# KiCad board keyboard.kicad_pcb
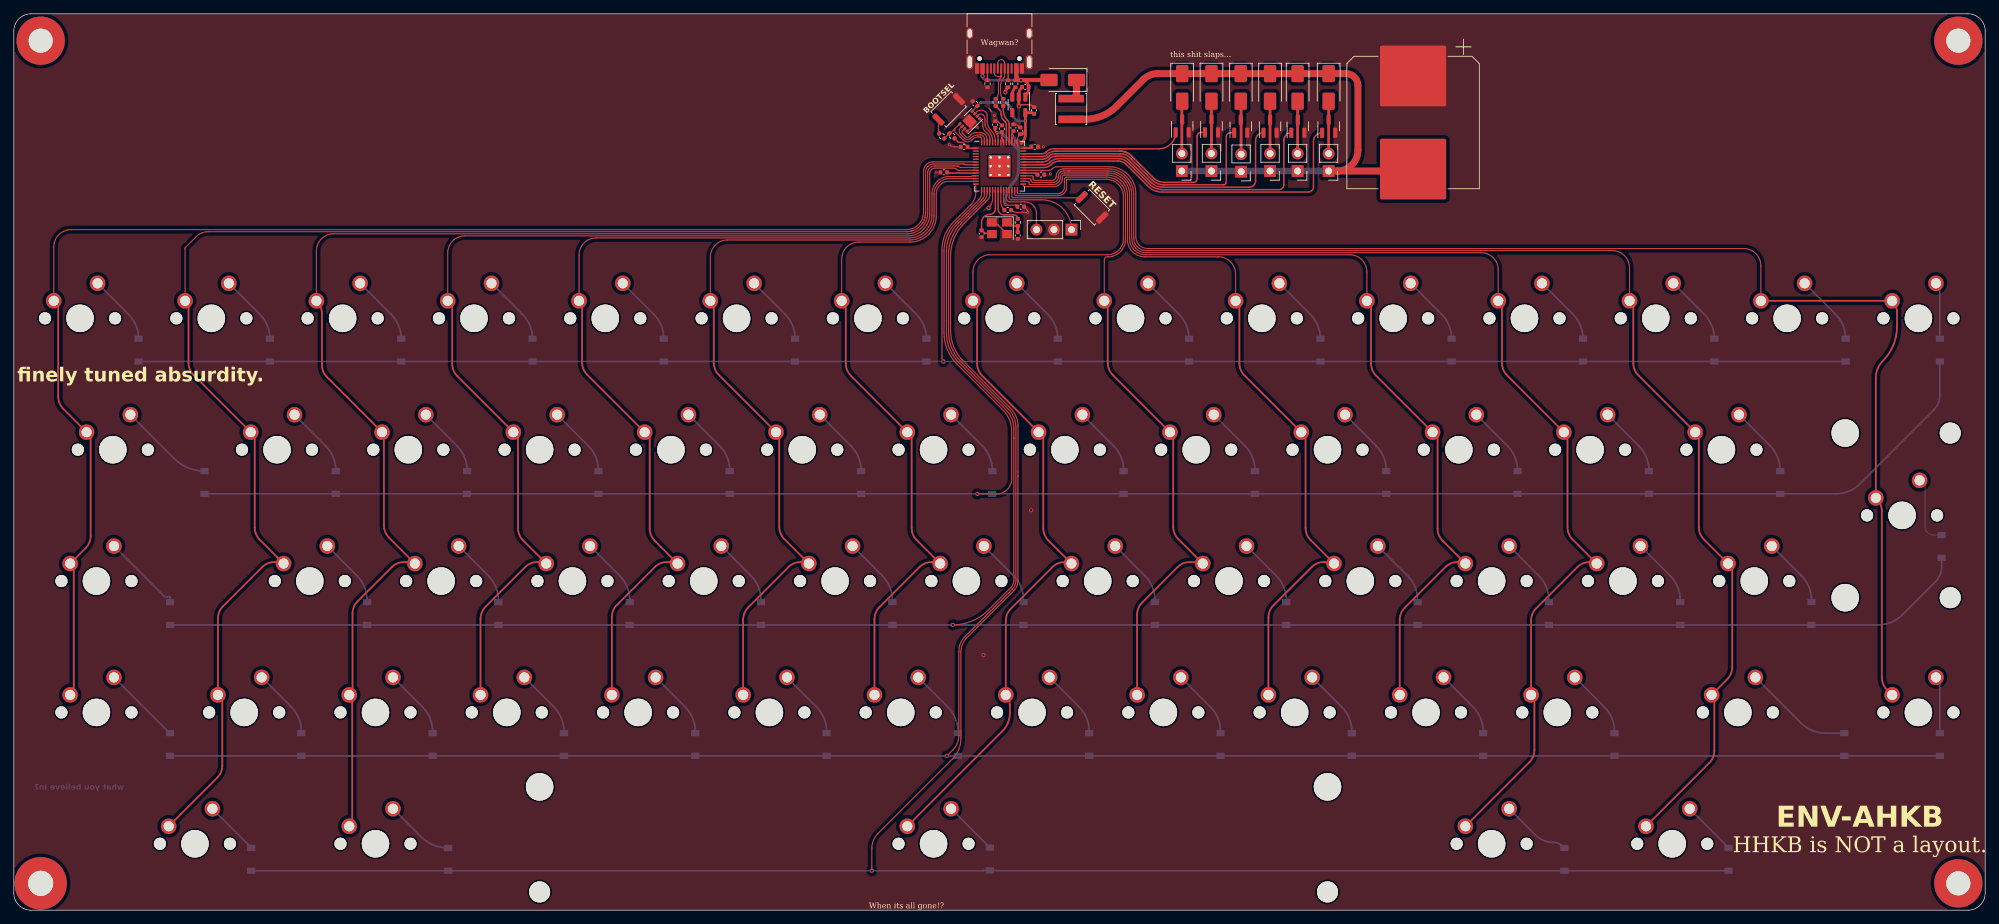
[diagram p0: board, top side]
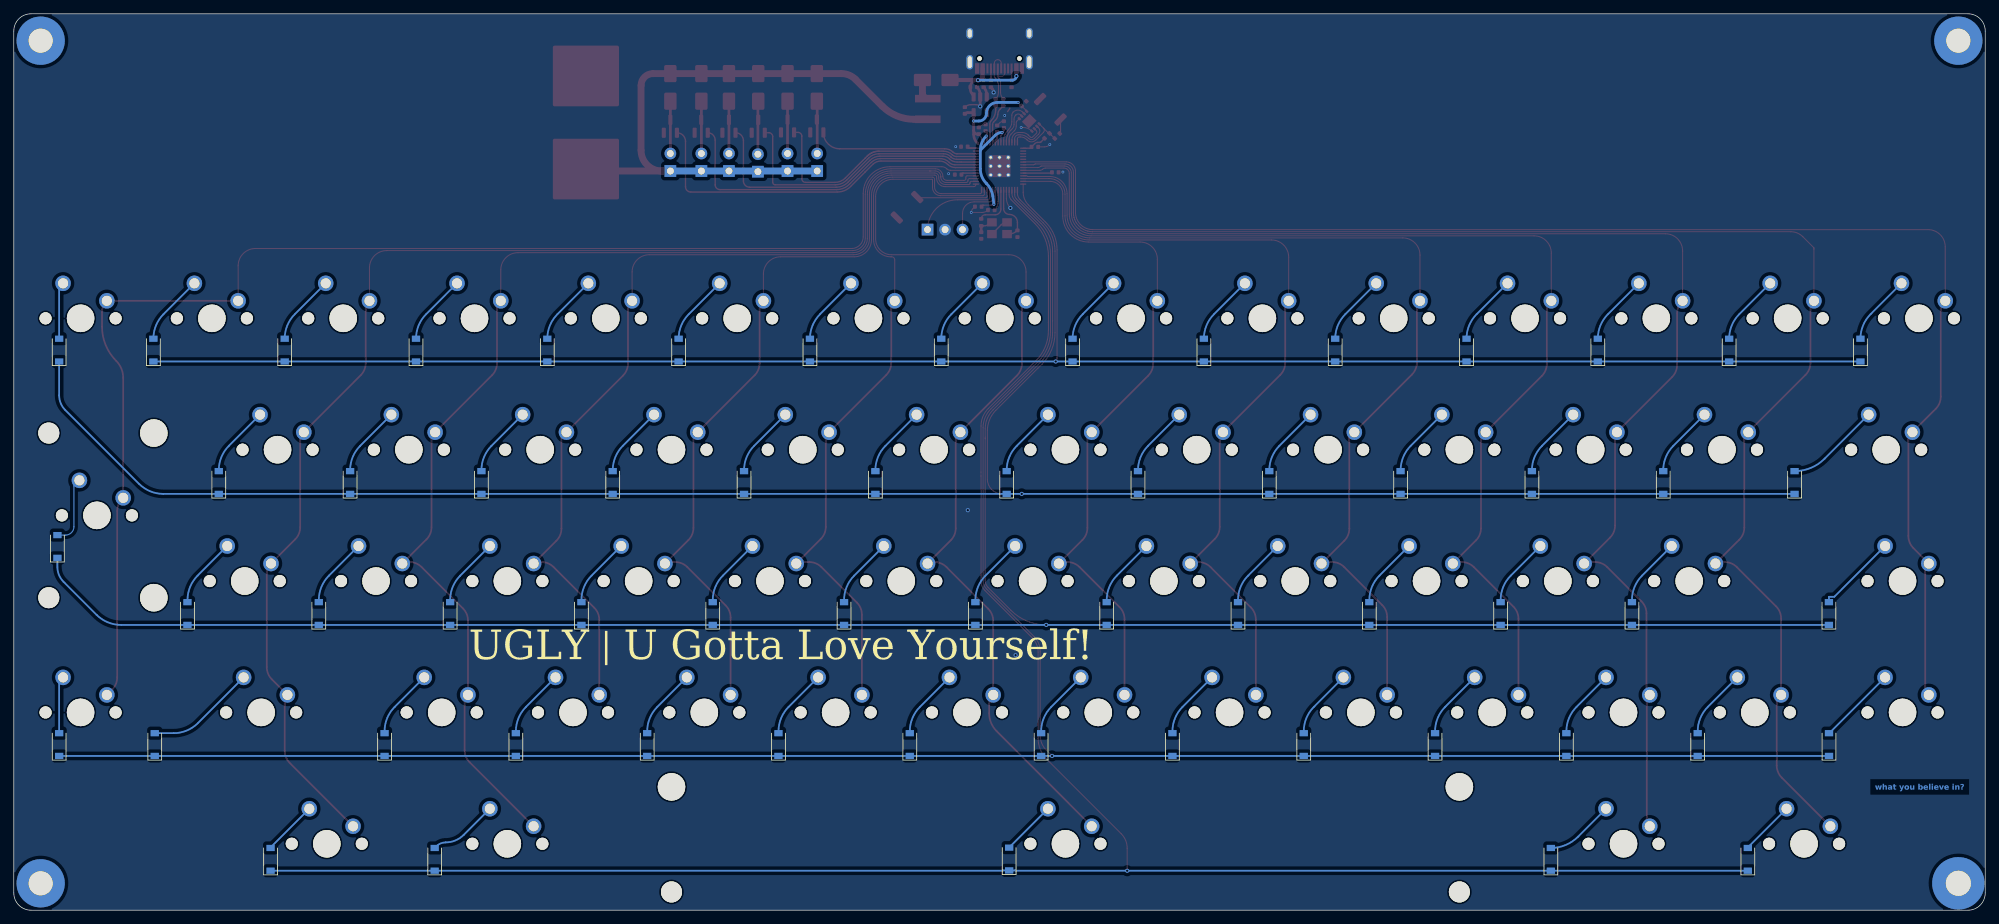
[diagram p1: board, bottom side, seen from below]

Outline 286 x 130 mm; copper layers: Top, Bottom. Coordinates in mm from the lower left corner of the outline.
Outline path: 0,127.5 arc(0.73,129.27) 2.5,130 283.5,130 arc(285.27,129.27) 286,127.5 286,2.5 arc(285.27,0.73) 283.5,0 2.5,0 arc(0.73,0.73) 0,2.5 0,127.5
Stack: Top 0.035mm / dielectric 1.51mm FR4 er 4.5 / Bottom 0.035mm

## Placement (name value [footprint] x y rotation side)
C1  100nF 0402  [C_0402_1005Metric]  139.45 116.97 135 top
C2  1uF 0402  [C_0402_1005Metric]  145.02 113.48 90 top
C3  100nF 0402  [C_0402_1005Metric]  146.08 102.03 0 top
C4  100nF 0402  [C_0402_1005Metric]  142.37 113.94 90 top
C5  1uF 0402  [C_0402_1005Metric]  146 113.03 90 top
C6  100nF 0402  [C_0402_1005Metric]  143.34 113.33 90 top
C7  100nF 0402  [C_0402_1005Metric]  144.19 101.54 0 top
C8  100nF 0402  [C_0402_1005Metric]  137.88 110.7 180 top
C9  PCG0E472MCL1GS  [CP_Elec_18x17.5]  203 114.23 270 top
C10  100nF 0402  [C_0402_1005Metric]  134.91 107.01 180 top
C11  100nF 0402  [C_0402_1005Metric]  149 106.68 0 top
C12  100nF 0402  [C_0402_1005Metric]  148.1 110.72 0 top
C14  22pF 0402  [C_0402_1005Metric]  145.65 97.85 90 top
C15  22pF 0402  [C_0402_1005Metric]  140.4 98.1 90 top
C16  1uF 0402  [C_0402_1005Metric]  146.75 119.38 180 top
C17  1uF 0402  [C_0402_1005Metric]  148.03 115.98 90 top
D1  SMA general purpose  [D_SMA]  152.18 120.4 180 top
D2  1n4004  [D_SMA]  173.75 119.33 270 top
D3  1n4004  [D_SMA]  169.5 119.32 270 top
D4  1n4004  [D_SMA]  178 119.32 270 top
D5  1n4004  [D_SMA]  182.25 119.32 270 top
D6  1n4004  [D_SMA]  186.25 119.32 270 top
D7  1n4004  [D_SMA]  190.75 119.32 270 top
D_0  D  [D_SOD-123]  18.1 81.22 90 bottom
D_1  D  [D_SOD-123]  37.15 81.22 90 bottom
D_2  D  [D_SOD-123]  56.2 81.22 90 bottom
D_3  D  [D_SOD-123]  75.25 81.22 90 bottom
D_4  D  [D_SOD-123]  94.3 81.22 90 bottom
D_5  D  [D_SOD-123]  113.35 81.22 90 bottom
D_6  D  [D_SOD-123]  132.4 81.22 90 bottom
D_7  D  [D_SOD-123]  151.45 81.22 90 bottom
D_8  D  [D_SOD-123]  170.5 81.22 90 bottom
D_9  D  [D_SOD-123]  189.55 81.22 90 bottom
D_10  D  [D_SOD-123]  208.6 81.22 90 bottom
D_11  D  [D_SOD-123]  227.65 81.22 90 bottom
D_12  D  [D_SOD-123]  246.7 81.22 90 bottom
D_13  D  [D_SOD-123]  265.75 81.22 90 bottom
D_14  D  [D_SOD-123]  279.42 81.22 90 bottom
D_15  D  [D_SOD-123]  27.66 62.02 90 bottom
D_16  D  [D_SOD-123]  46.71 62.02 90 bottom
D_17  D  [D_SOD-123]  65.76 62.02 90 bottom
D_18  D  [D_SOD-123]  84.81 62.02 90 bottom
D_19  D  [D_SOD-123]  103.86 62.02 90 bottom
D_20  D  [D_SOD-123]  122.91 62.02 90 bottom
D_21  D  [D_SOD-123]  141.96 62.02 90 bottom
D_22  D  [D_SOD-123]  161.01 62.02 90 bottom
D_23  D  [D_SOD-123]  180.06 62.02 90 bottom
D_24  D  [D_SOD-123]  199.11 62.02 90 bottom
D_25  D  [D_SOD-123]  218.16 62.02 90 bottom
D_26  D  [D_SOD-123]  237.21 62.02 90 bottom
D_27  D  [D_SOD-123]  256.26 62.02 90 bottom
D_28  D  [D_SOD-123]  279.68 52.75 90 bottom
D_29  D  [D_SOD-123]  22.67 43.02 90 bottom
D_30  D  [D_SOD-123]  51.25 43.02 90 bottom
D_31  D  [D_SOD-123]  70.3 43.02 90 bottom
D_32  D  [D_SOD-123]  89.35 43.02 90 bottom
D_33  D  [D_SOD-123]  108.4 43.02 90 bottom
D_34  D  [D_SOD-123]  127.45 43.02 90 bottom
D_35  D  [D_SOD-123]  146.5 43.02 90 bottom
D_36  D  [D_SOD-123]  165.55 43.02 90 bottom
D_37  D  [D_SOD-123]  184.6 43.02 90 bottom
D_38  D  [D_SOD-123]  203.65 43.02 90 bottom
D_39  D  [D_SOD-123]  222.7 43.02 90 bottom
D_40  D  [D_SOD-123]  241.75 43.02 90 bottom
D_41  D  [D_SOD-123]  260.8 43.02 90 bottom
D_42  D  [D_SOD-123]  22.66 24.03 90 bottom
D_43  D  [D_SOD-123]  41.71 24.03 90 bottom
D_44  D  [D_SOD-123]  60.76 24.03 90 bottom
D_45  D  [D_SOD-123]  79.81 24.03 90 bottom
D_46  D  [D_SOD-123]  98.86 24.03 90 bottom
D_47  D  [D_SOD-123]  117.91 24.03 90 bottom
D_48  D  [D_SOD-123]  136.96 24.03 90 bottom
D_49  D  [D_SOD-123]  156.01 24.03 90 bottom
D_50  D  [D_SOD-123]  175.06 24.03 90 bottom
D_51  D  [D_SOD-123]  194.11 24.03 90 bottom
D_52  D  [D_SOD-123]  213.16 24.03 90 bottom
D_53  D  [D_SOD-123]  232.21 24.03 90 bottom
D_54  D  [D_SOD-123]  265.55 24.03 90 bottom
D_55  D  [D_SOD-123]  279.42 24.03 90 bottom
D_56  D  [D_SOD-123]  34.44 7.38 90 bottom
D_57  D  [D_SOD-123]  63.01 7.38 90 bottom
D_58  D  [D_SOD-123]  141.6 7.42 90 bottom
D_59  D  [D_SOD-123]  224.94 7.38 90 bottom
D_60  D  [D_SOD-123]  248.75 7.38 90 bottom
H1  MountingHole  [MountingHole_3.5mm_Pad]  3.9 126.1 0 top
H2  MountingHole  [MountingHole_3.5mm_Pad]  282.1 126.1 0 top
H3  MountingHole  [MountingHole_3.5mm_Pad#2]  3.9 3.9 0 top
H4  MountingHole  [MountingHole_3.5mm_Pad]  282.1 3.9 0 top
J1  HRO_TYPE-C-31-M-12  [USB_C_Receptacle_HRO_TYPE-C-31-M-12]  143 126.11 180 top
J2  Conn_01x03  [PinHeader_1x03_P2.54mm_Vertical]  153.44 98.7 270 top
K_0  KEYSW  [MXOnly-1U-NoLED]  9.61 85.83 0 top
K_1  KEYSW  [MXOnly-1U-NoLED]  28.66 85.83 0 top
K_2  KEYSW  [MXOnly-1U-NoLED]  47.71 85.83 0 top
K_3  KEYSW  [MXOnly-1U-NoLED]  66.76 85.83 0 top
K_4  KEYSW  [MXOnly-1U-NoLED]  85.81 85.83 0 top
K_5  KEYSW  [MXOnly-1U-NoLED]  104.86 85.83 0 top
K_6  KEYSW  [MXOnly-1U-NoLED]  123.91 85.83 0 top
K_7  KEYSW  [MXOnly-1U-NoLED]  142.96 85.83 0 top
K_8  KEYSW  [MXOnly-1U-NoLED]  162.01 85.83 0 top
K_9  KEYSW  [MXOnly-1U-NoLED]  181.06 85.83 0 top
K_10  KEYSW  [MXOnly-1U-NoLED]  200.11 85.83 0 top
K_11  KEYSW  [MXOnly-1U-NoLED]  219.16 85.83 0 top
K_12  KEYSW  [MXOnly-1U-NoLED]  238.21 85.83 0 top
K_13  KEYSW  [MXOnly-1U-NoLED]  257.26 85.83 0 top
K_14  KEYSW  [MXOnly-1U-NoLED]  276.31 85.83 0 top
K_15  KEYSW  [MXOnly-1U-NoLED]  14.37 66.78 0 top
K_16  KEYSW  [MXOnly-1U-NoLED]  38.18 66.78 0 top
K_17  KEYSW  [MXOnly-1U-NoLED]  57.23 66.78 0 top
K_18  KEYSW  [MXOnly-1U-NoLED]  76.28 66.78 0 top
K_19  KEYSW  [MXOnly-1U-NoLED]  95.33 66.78 0 top
K_20  KEYSW  [MXOnly-1U-NoLED]  114.38 66.78 0 top
K_21  KEYSW  [MXOnly-1U-NoLED]  133.43 66.78 0 top
K_22  KEYSW  [MXOnly-1U-NoLED]  152.48 66.78 0 top
K_23  KEYSW  [MXOnly-1U-NoLED]  171.53 66.78 0 top
K_24  KEYSW  [MXOnly-1U-NoLED]  190.58 66.78 0 top
K_25  KEYSW  [MXOnly-1U-NoLED]  209.63 66.78 0 top
K_26  KEYSW  [MXOnly-1U-NoLED]  228.68 66.78 0 top
K_27  KEYSW  [MXOnly-1U-NoLED]  247.73 66.78 0 top
K_28  KEYSW  [MXOnly-1U-NoLED]  273.94 57.26 0 top
K_29  KEYSW  [MXOnly-1U-NoLED]  11.99 47.73 0 top
K_30  KEYSW  [MXOnly-1U-NoLED]  42.95 47.73 0 top
K_31  KEYSW  [MXOnly-1U-NoLED]  62 47.73 0 top
K_32  KEYSW  [MXOnly-1U-NoLED]  81.05 47.73 0 top
K_33  KEYSW  [MXOnly-1U-NoLED]  100.1 47.73 0 top
K_34  KEYSW  [MXOnly-1U-NoLED]  119.15 47.73 0 top
K_35  KEYSW  [MXOnly-1U-NoLED]  138.2 47.73 0 top
K_36  KEYSW  [MXOnly-1U-NoLED]  157.25 47.73 0 top
K_37  KEYSW  [MXOnly-1U-NoLED]  176.3 47.73 0 top
K_38  KEYSW  [MXOnly-1U-NoLED]  195.35 47.73 0 top
K_39  KEYSW  [MXOnly-1U-NoLED]  214.4 47.73 0 top
K_40  KEYSW  [MXOnly-1U-NoLED]  233.45 47.73 0 top
K_41  KEYSW  [MXOnly-1U-NoLED]  252.5 47.73 0 top
K_42  KEYSW  [MXOnly-1U-NoLED]  11.99 28.68 0 top
K_43  KEYSW  [MXOnly-1U-NoLED]  33.42 28.68 0 top
K_44  KEYSW  [MXOnly-1U-NoLED]  52.47 28.68 0 top
K_45  KEYSW  [MXOnly-1U-NoLED]  71.52 28.68 0 top
K_46  KEYSW  [MXOnly-1U-NoLED]  90.57 28.68 0 top
K_47  KEYSW  [MXOnly-1U-NoLED]  109.62 28.68 0 top
K_48  KEYSW  [MXOnly-1U-NoLED]  128.67 28.68 0 top
K_49  KEYSW  [MXOnly-1U-NoLED]  147.72 28.68 0 top
K_50  KEYSW  [MXOnly-1U-NoLED]  166.77 28.68 0 top
K_51  KEYSW  [MXOnly-1U-NoLED]  185.82 28.68 0 top
K_52  KEYSW  [MXOnly-1U-NoLED]  204.87 28.68 0 top
K_53  KEYSW  [MXOnly-1U-NoLED]  223.92 28.68 0 top
K_54  KEYSW  [MXOnly-1U-NoLED]  250.12 28.68 0 top
K_55  KEYSW  [MXOnly-1U-NoLED]  276.31 28.68 0 top
K_56  KEYSW  [MXOnly-1U-NoLED]  26.28 9.63 0 top
K_57  KEYSW  [MXOnly-1U-NoLED]  52.47 9.63 0 top
K_58  KEYSW  [MXOnly-1U-NoLED]  133.43 9.63 0 top
K_59  KEYSW  [MXOnly-1U-NoLED]  214.4 9.63 0 top
K_60  KEYSW  [MXOnly-1U-NoLED]  240.59 9.63 0 top
L1  SWPA4030S100MT  [L_Sunlord_SWPA4030S]  153.4 116.2 270 top
Q1  AO3400A  [SOT-23]  173.75 113.74 90 top
Q2  AO3400A  [SOT-23]  169.5 113.74 90 top
Q3  AO3400A  [SOT-23]  178 113.69 90 top
Q4  AO3400A  [SOT-23]  182.25 113.69 90 top
Q5  AO3400A  [SOT-23]  186.28 113.69 90 top
Q6  AO3400A  [SOT-23]  190.75 113.69 90 top
R1  10K 0402  [R_0402_1005Metric]  136.1 112.3 315 top
R2  27 0402  [R_0402_1005Metric]  142.45 117.15 90 top
R3  27 0402  [R_0402_1005Metric]  143.55 117.15 90 top
R4  1K 0402  [R_0402_1005Metric]  145.65 99.75 90 top
R5  5.1K 0402  [R_0402_1005Metric]  144.25 119.85 270 top
R6  5.1K 0402  [R_0402_1005Metric]  141.25 119.85 270 top
R7  10K 0402  [R_0402_1005Metric]  145.3 119.85 90 top
R8  1K 0402  [R_0402_1005Metric]  134.62 112.27 315 top
S1  SOLENOID Connector  [PinHeader_1x02_P2.54mm_Vertical]  173.75 107.2 180 top
S2  SOLENOID Connector  [PinHeader_1x02_P2.54mm_Vertical]  178.05 107.1 180 top
S3  SOLENOID Connector  [PinHeader_1x02_P2.54mm_Vertical]  182.25 107.2 180 top
S4  SOLENOID Connector  [PinHeader_1x02_P2.54mm_Vertical]  186.25 107.2 180 top
S5  SOLENOID Connector  [PinHeader_1x02_P2.54mm_Vertical]  190.75 107.2 180 top
S6  SOLENOID Connector  [PinHeader_1x02_P2.54mm_Vertical]  169.45 107.2 180 top
STAB1  Stabiliser  [Stabilizer_Cherry_MX_7u]  133.43 9.63 180 top
STAB2  Stabiliser  [Stabilizer_Cherry_MX_2u]  273.94 57.26 270 top
SW1  Alps SKRK  [SW_Push_SPST_NO_Alps_SKRK]  135.62 116.15 225 top
SW2  Alps SKRK  [SW_Push_SPST_NO_Alps_SKRK]  156.42 101.93 135 top
U1  TLV75533PDBV  [SOT-23-5]  145.8 116.8 270 top
U101  RP2040  [RP2040-QFN-56]  143 107.9 0 top
U103  W25Q16  [SON-8-1EP_3x2mm_P0.5mm_EP1.4x1.6mm]  138.68 114.42 45 top
Y1  12MHz 3225  [Crystal_SMD_3225-4Pin_3.2x2.5mm]  143 98.9 180 top

## Library data of the parts
C1-C12 C14-C17 = -: Description: Unpolarized capacitor, small symbol
D1 = -: Description: 50V 3A General Purpose Rectifier Diode, DO-201AD; Sim.Device: D; Sim.Pins: 1=K 2=A
D2-D7 = -: Description: 400V 1A General Purpose Rectifier Diode, DO-41
D_0-D_60 = -: Description: Diode, small symbol
H1-H4 STAB1 STAB2 = -: Description: Mounting Hole without connection
J1 = -: Description: USB 2.0-only Type-C Receptacle connector
J2 = -: Description: Generic connector, single row, 01x03, script generated (kicad-library-utils/schlib/autogen/connector/)
L1 S1-S6 = -: Description: Inductor, small symbol
Q1-Q6 = -: Description: 30V Vds, 5.7A Id, N-Channel MOSFET, SOT-23
R1-R8 = -: Description: Resistor, small symbol
SW1 SW2 = -: Description: Push button switch, generic, two pins
U1 = -: Description: 500mA Low Dropout Voltage Regulator, Fixed Output 3.3V, SOT-23-5
U103 = -: Description: 32Mb Serial Flash Memory, Standard/Dual/Quad SPI, DFN-8
Y1 = -: Description: Four pin crystal, GND on pins 2 and 4, small symbol

## Footprints (pads in the part's own frame, mm; a bottom-side part is the same pattern mirrored in y, then rotated)
C_0402_1005Metric
  rrect 0.56x0.62 smd: 1(-0.48,0) 2(0.48,0)
CP_Elec_18x17.5
  rrect 8.8x9.6 smd: 1(-6.75,0) 2(6.75,0)
Crystal_SMD_3225-4Pin_3.2x2.5mm
  rect 1.4x1.2 smd: 1(-1.1,-0.85) 2(1.1,-0.85) 3(1.1,0.85) 4(-1.1,0.85)
D_SMA
  rrect 2.5x1.8 smd: 1(-2,0) 2(2,0)
D_SOD-123
  rect 0.9x1.2 smd: 1(-1.65,0) 2(1.65,0)
L_Sunlord_SWPA4030S
  rect 1.1x3.7 smd: 1(-1.5,0) 2(1.5,0)
MountingHole_3.5mm_Pad
  round 7 hole 3.5: 1(0,0)
MountingHole_3.5mm_Pad#2
  round 7.6 hole 3.65: 1(0,0)
MXOnly-1U-NoLED
  round 1.75 hole 1.75 unplated: (-5.08,0) (5.08,0)
  round 3.988 hole 3.988 unplated: (0,0)
  round 2.25 hole 1.47: 1(-3.81,2.54) 2(2.54,5.08)
PinHeader_1x02_P2.54mm_Vertical
  rect 1.7x1.7 hole 1: 1(0,0)
  oval 1.7x1.7 hole 1: 2(0,-2.54)
PinHeader_1x03_P2.54mm_Vertical
  rect 1.7x1.7 hole 1: 1(0,0)
  oval 1.7x1.7 hole 1: 2(0,-2.54) 3(0,-5.08)
R_0402_1005Metric
  rrect 0.54x0.64 smd: 1(-0.51,0) 2(0.51,0)
RP2040-QFN-56
  rrect 1.084x1.084 smd: (-0.637,0.637) (-0.637,-0.637) (0.637,0.637) (0.637,-0.637)
  rrect 0.875x0.2 smd: 1(-3.438,2.6) 2(-3.438,2.2) 3(-3.438,1.8) 4(-3.438,1.4) 5(-3.438,1) 6(-3.438,0.6) 7(-3.438,0.2) 8(-3.438,-0.2) 9(-3.438,-0.6) 10(-3.438,-1) 11(-3.438,-1.4) 12(-3.438,-1.8) 13(-3.438,-2.2) 14(-3.438,-2.6) 29(3.438,-2.6) 30(3.438,-2.2) 31(3.438,-1.8) 32(3.438,-1.4) 33(3.438,-1) 34(3.438,-0.6) 35(3.438,-0.2) 36(3.438,0.2) 37(3.438,0.6) 38(3.438,1) 39(3.438,1.4) 40(3.438,1.8) 41(3.438,2.2) 42(3.438,2.6)
  rrect 0.2x0.875 smd: 15(-2.6,-3.438) 16(-2.2,-3.438) 17(-1.8,-3.438) 18(-1.4,-3.438) 19(-1,-3.438) 20(-0.6,-3.438) 21(-0.2,-3.438) 22(0.2,-3.438) 23(0.6,-3.438) 24(1,-3.438) 25(1.4,-3.438) 26(1.8,-3.438) 27(2.2,-3.438) 28(2.6,-3.438) 43(2.6,3.438) 44(2.2,3.438) 45(1.8,3.438) 46(1.4,3.438) 47(1,3.438) 48(0.6,3.438) 49(0.2,3.438) 50(-0.2,3.438) 51(-0.6,3.438) 52(-1,3.438) 53(-1.4,3.438) 54(-1.8,3.438) 55(-2.2,3.438) 56(-2.6,3.438)
  round 0.6 hole 0.35: 57(-1.275,1.275) 57(-1.275,0) 57(-1.275,-1.275) 57(0,1.275) 57(0,0) 57(0,-1.275) 57(1.275,1.275) 57(1.275,0) 57(1.275,-1.275)
  rrect 3.2x3.2 smd: 57(0,0)
SON-8-1EP_3x2mm_P0.5mm_EP1.4x1.6mm
  rrect 0.56x0.64 smd: (-0.35,0.4) (-0.35,-0.4) (0.35,0.4) (0.35,-0.4)
  rrect 0.525x0.35 smd: 1(-1.288,0.75) 2(-1.288,0.25) 3(-1.288,-0.25) 4(-1.288,-0.75) 5(1.288,-0.75) 6(1.288,-0.25) 7(1.288,0.25) 8(1.288,0.75)
  rect 1.4x1.6 smd: 9(0,0)
SOT-23
  rrect 1.475x0.6 smd: 1(-0.938,0.95) 2(-0.938,-0.95) 3(0.938,0)
SOT-23-5
  rrect 1.325x0.6 smd: 1(-1.137,0.95) 2(-1.137,0) 3(-1.137,-0.95) 4(1.137,-0.95) 5(1.137,0.95)
Stabilizer_Cherry_MX_2u
  round 3.048 hole 3.048 unplated: (-11.938,6.985) (11.938,6.985)
  round 3.988 hole 3.988 unplated: (-11.938,-8.255) (11.938,-8.255)
Stabilizer_Cherry_MX_7u
  round 3.048 hole 3.048 unplated: (-57.15,6.985) (57.15,6.985)
  round 3.988 hole 3.988 unplated: (-57.15,-8.255) (57.15,-8.255)
SW_Push_SPST_NO_Alps_SKRK
  rrect 0.8x2 smd: 1(-2.1,0) 2(2.1,0)
USB_C_Receptacle_HRO_TYPE-C-31-M-12
  round 0.65 hole 0.65 unplated: (-2.89,2.6) (2.89,2.6)
  rect 0.6x1.45 smd: A1(-3.25,4.045) A4(-2.45,4.045) A9(2.45,4.045) A12(3.25,4.045) B1(3.25,4.045) B4(2.45,4.045) B9(-2.45,4.045) B12(-3.25,4.045)
  rect 0.3x1.45 smd: A5(-1.25,4.045) A6(-0.25,4.045) A7(0.25,4.045) A8(1.25,4.045) B5(1.75,4.045) B6(0.75,4.045) B7(-0.75,4.045) B8(-1.75,4.045)
  oval 1x2.1 hole 0.6x1.7: S1(-4.32,3.13) S1(4.32,3.13)
  oval 1x1.6 hole 0.6x1.2: S1(-4.32,-1.05) S1(4.32,-1.05)

## Nets
+1V1: C2.1 C3.1 C4.1 U101.23 U101.45 U101.50
+3V3: C1.1 C5.1 C6.1 C7.1 C8.1 C10.1 C11.1 C12.1 C17.1 R1.2 U1.5 U101.1 U101.10 U101.22 U101.33 U101.42 U101.43 U101.44 U101.48 U101.49 U103.8
GND: C1.2 C2.2 C3.2 C4.2 C5.2 C6.2 C7.2 C8.2 C9.1 C10.2 C11.2 C12.2 C14.1 C15.1 C16.2 C17.2 J1.A1 J1.A12 J1.B1 J1.B12 J1.S1 J2.2 Q1.2 Q2.2 Q3.2 Q4.2 Q5.2 Q6.2 R5.2 R6.2 SW1.1 SW2.1 U1.2 U101.19 U101.57 U103.4 U103.9 Y1.2 Y1.4
VBUS: C16.1 D1.2 J1.A4 J1.A9 J1.B4 J1.B9 R7.2 U1.1
/QSPI_SS: R1.1 R8.2 U101.56 U103.1
/USB_D+: J1.A6 J1.B6 R2.2
/USB_D-: J1.A7 J1.B7 R3.2
col0: K_0.1 K_15.1 K_29.1 K_42.1 U101.6
col1: K_1.1 K_16.1 K_30.1 K_43.1 K_56.1 U101.7
col2: K_2.1 K_17.1 K_31.1 K_44.1 K_57.1 U101.8
col3: K_3.1 K_18.1 K_32.1 K_45.1 U101.9
col4: K_4.1 K_19.1 K_33.1 K_46.1 U101.11
col5: K_5.1 K_20.1 K_34.1 K_47.1 U101.12
col6: K_6.1 K_21.1 K_35.1 K_48.1 U101.13
col7: K_7.1 K_22.1 K_36.1 K_49.1 K_58.1 U101.27
col8: K_8.1 K_23.1 K_37.1 K_50.1 U101.28
col9: K_9.1 K_24.1 K_38.1 K_51.1 U101.29
col10: K_10.1 K_25.1 K_39.1 K_52.1 U101.30
col11: K_11.1 K_26.1 K_40.1 K_53.1 K_59.1 U101.31
col12: K_12.1 K_27.1 K_41.1 K_54.1 K_60.1 U101.32
col13: K_13.1 K_14.1 K_28.1 K_55.1 U101.34
QSPI_SCLK: U101.52 U103.6
QSPI_SD0: U101.53 U103.5
QSPI_SD1: U101.55 U103.2
QSPI_SD2: U101.54 U103.3
QSPI_SD3: U101.51 U103.7
row0: D_0.1 D_1.1 D_2.1 D_3.1 D_4.1 D_5.1 D_6.1 D_7.1 D_8.1 D_9.1 D_10.1 D_11.1 D_12.1 D_13.1 U101.14
row1: D_14.1 D_15.1 D_16.1 D_17.1 D_18.1 D_19.1 D_20.1 D_21.1 D_22.1 D_23.1 D_24.1 D_25.1 D_26.1 D_27.1 U101.15
row2: D_28.1 D_29.1 D_30.1 D_31.1 D_32.1 D_33.1 D_34.1 D_35.1 D_36.1 D_37.1 D_38.1 D_39.1 D_40.1 D_41.1 U101.16
row3: D_42.1 D_43.1 D_44.1 D_45.1 D_46.1 D_47.1 D_48.1 D_49.1 D_50.1 D_51.1 D_52.1 D_53.1 D_54.1 D_55.1 U101.17
row4: D_56.1 D_57.1 D_58.1 D_59.1 D_60.1 U101.18
SOL1: Q2.1 U101.40
SOL2: Q1.1 U101.39
SOL3: Q3.1 U101.38
SOL4: Q4.1 U101.37
SOL5: Q5.1 U101.36
SOL6: Q6.1 U101.35
Net-(C14-Pad2): C14.2 R4.1 Y1.1
Net-(D1-K): D1.1 L1.1
Net-(D2-A): D2.2 Q1.3 S1.2
Net-(D2-K): C9.2 D2.1 D3.1 D4.1 D5.1 D6.1 D7.1 L1.2 S1.1 S2.1 S3.1 S4.1 S5.1 S6.1
Net-(D3-A): D3.2 Q2.3 S6.2
Net-(D4-A): D4.2 Q3.3 S2.2
Net-(D5-A): D5.2 Q4.3 S3.2
Net-(D6-A): D6.2 Q5.3 S4.2
Net-(D7-A): D7.2 Q6.3 S5.2
Net-(D_0-A): D_0.2 K_0.2
Net-(D_1-A): D_1.2 K_1.2
Net-(D_2-A): D_2.2 K_2.2
Net-(D_3-A): D_3.2 K_3.2
Net-(D_4-A): D_4.2 K_4.2
Net-(D_5-A): D_5.2 K_5.2
Net-(D_6-A): D_6.2 K_6.2
Net-(D_7-A): D_7.2 K_7.2
Net-(D_8-A): D_8.2 K_8.2
Net-(D_9-A): D_9.2 K_9.2
Net-(D_10-A): D_10.2 K_10.2
Net-(D_11-A): D_11.2 K_11.2
Net-(D_12-A): D_12.2 K_12.2
Net-(D_13-A): D_13.2 K_13.2
Net-(D_14-A): D_14.2 K_14.2
Net-(D_15-A): D_15.2 K_15.2
Net-(D_16-A): D_16.2 K_16.2
Net-(D_17-A): D_17.2 K_17.2
Net-(D_18-A): D_18.2 K_18.2
Net-(D_19-A): D_19.2 K_19.2
Net-(D_20-A): D_20.2 K_20.2
Net-(D_21-A): D_21.2 K_21.2
Net-(D_22-A): D_22.2 K_22.2
Net-(D_23-A): D_23.2 K_23.2
Net-(D_24-A): D_24.2 K_24.2
Net-(D_25-A): D_25.2 K_25.2
Net-(D_26-A): D_26.2 K_26.2
Net-(D_27-A): D_27.2 K_27.2
Net-(D_28-A): D_28.2 K_28.2
Net-(D_29-A): D_29.2 K_29.2
Net-(D_30-A): D_30.2 K_30.2
Net-(D_31-A): D_31.2 K_31.2
Net-(D_32-A): D_32.2 K_32.2
Net-(D_33-A): D_33.2 K_33.2
Net-(D_34-A): D_34.2 K_34.2
Net-(D_35-A): D_35.2 K_35.2
Net-(D_36-A): D_36.2 K_36.2
Net-(D_37-A): D_37.2 K_37.2
Net-(D_38-A): D_38.2 K_38.2
Net-(D_39-A): D_39.2 K_39.2
Net-(D_40-A): D_40.2 K_40.2
Net-(D_41-A): D_41.2 K_41.2
Net-(D_42-A): D_42.2 K_42.2
Net-(D_43-A): D_43.2 K_43.2
Net-(D_44-A): D_44.2 K_44.2
Net-(D_45-A): D_45.2 K_45.2
Net-(D_46-A): D_46.2 K_46.2
Net-(D_47-A): D_47.2 K_47.2
Net-(D_48-A): D_48.2 K_48.2
Net-(D_49-A): D_49.2 K_49.2
Net-(D_50-A): D_50.2 K_50.2
Net-(D_51-A): D_51.2 K_51.2
Net-(D_52-A): D_52.2 K_52.2
Net-(D_53-A): D_53.2 K_53.2
Net-(D_54-A): D_54.2 K_54.2
Net-(D_55-A): D_55.2 K_55.2
Net-(D_56-A): D_56.2 K_56.2
Net-(D_57-A): D_57.2 K_57.2
Net-(D_58-A): D_58.2 K_58.2
Net-(D_59-A): D_59.2 K_59.2
Net-(D_60-A): D_60.2 K_60.2
Net-(J1-CC1): J1.A5 R5.1
Net-(J1-CC2): J1.B5 R6.1
Net-(J2-Pin_1): J2.1 U101.25
Net-(J2-Pin_3): J2.3 U101.24
Net-(R8-Pad1): R8.1 SW1.2
Net-(U1-EN): R7.1 U1.3
Net-(U101-RUN): SW2.2 U101.26
Net-(U101-USB_DM): R3.1 U101.46
Net-(U101-USB_DP): R2.1 U101.47
Net-(U101-XIN): C15.2 U101.20 Y1.3
Net-(U101-XOUT): R4.2 U101.21

Pads without a net: H1 1; H2 1; H3 1; H4 1; J1 A8 B8; U1 4; U101 2 3 4 5 41

## Via types
v1: diameter 0.6, hole 0.35, Top to Bottom, 12 vias
v2: diameter 0.4, hole 0.2, Top to Bottom, 12 vias
